# Allegro board BeagleBoard-xM.brd (continued)
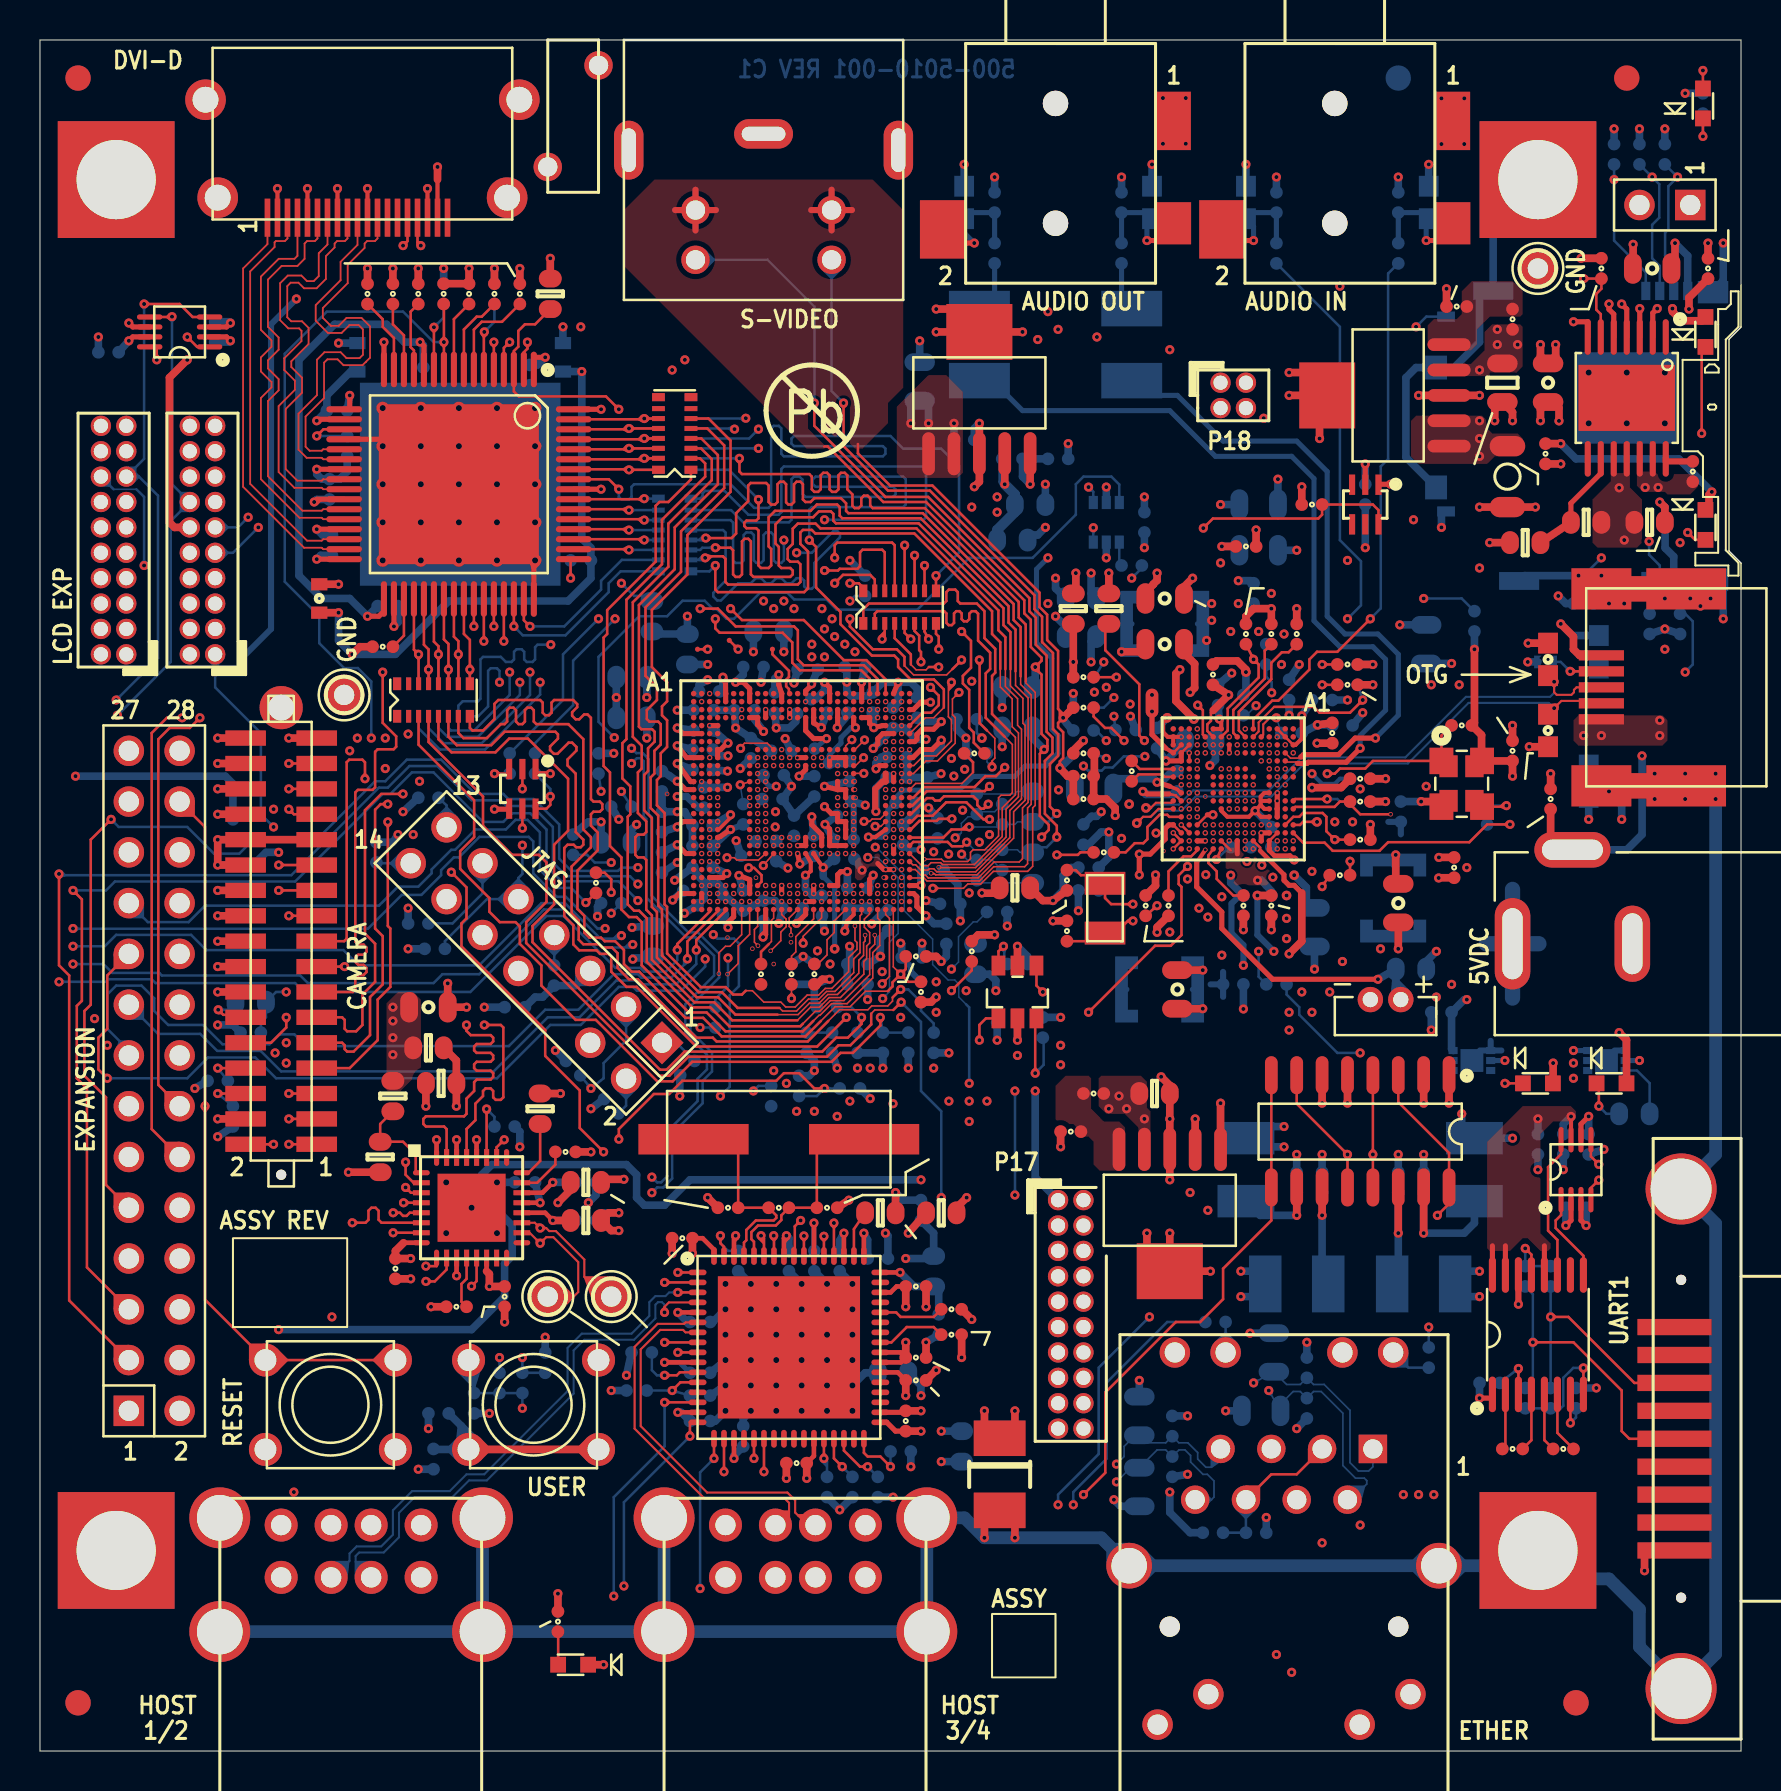
[diagram p0: board, top side]
## Routing (per net, layer and track width the routed paths; a pad name or vN(x,y) marks a point on that pad's centre or on a via; arc(x,y) is an arc through that point) (continued)
N27087084: length 7
  LYR3-SIG w0.076: 54.86,51.16 55.19,51.16 55.58,50.77 56.69,50.77 57.4,50.06 57.4,48.82 v2(57.89,48.33)
  LYR3-SIG w0.127: v1(53.72,51.77) 54.33,51.16 54.86,51.16
  BOTTOM w0.127: C199.1 v1(53.72,51.77)
N27930577: length 1.2
  BOTTOM w0.127: R156.1 53.99,59.42 U18.4
N27967047: length 6.2
  TOP w0.127: 27.81,43.94 28.24,43.94 28.57,43.61 v1(28.57,42.95)
  LYR3-SIG w0.076: v2(33.1,43.3) 32.48,43.3 32.12,42.94 29.73,42.94
  LYR3-SIG w0.127: 29.73,42.94 28.66,42.94 v1(28.57,42.95)
N27971192: length 1.5
  TOP w0.305: U2.14 81.33,64.52 R158.1
N28217649: length 2.1
  TOP w0.254: Q2.2 v1(66.29,64.39)
  BOTTOM w0.381: R144.2 v1(66.29,64.39)
N28306649: length 3
  BOTTOM w0.127: U31.3 79.88,34.04 80.52,33.41 R121.1

## Copper pours and planes (outline as drawn; the poured copper is in the pictures)
GND on TOP (solid shape): 81.79,66.04 76.96,66.04 76.96,69.34 81.79,69.34
GND on BOTTOM (solid shape): 26.04,58.29 16,58.29 16,68.45 26.04,68.45
GND on BOTTOM (solid shape): 81.92,65.41 76.84,65.41 76.84,69.98 81.92,69.98
GND on TOP: 38.35,65.15 41.15,65.15 42.42,66.42 42.42,67.44 43.18,68.2 43.18,77.09 41.66,78.61 30.73,78.61 29.21,77.09 29.21,74.3
GND on TOP: 41.94,44.25 41.5,44.25 41.3,44.04 41.3,43.79 41.07,43.56 40.89,43.56 40.77,43.69 40.77,44.53 41.02,44.78 41.02,45.67 41.17,45.82 42.34,45.82 42.39,45.77 42.39,45.21 42.37,45.19 42.19,45.19 42.01,45.01 42.01,44.32
GND on BOTTOM: 61.72,45.47 60.45,45.47 60.33,45.34 60.33,44.58 60.83,44.07 61.34,44.07 61.85,44.58 61.85,45.34
GND on BOTTOM: 37.72,66.17 37.08,66.8 36.7,66.8 29.21,74.3 29.21,77.09 30.73,78.61 41.66,78.61 43.18,77.09 43.18,70.61 42.42,69.85 42.42,66.42 42.16,66.17
GND on LYR2-GND: 7.39,0.64 7.39,13.31 20.38,13.31 21.02,13.94 21.65,13.94 23.77,16.07 23.77,23.94 24.66,24.83 24.66,27.62 25.08,28.04 28.77,28.04 30.04,26.77 31.43,26.77 32.7,28.04 38.93,28.04 39.18,27.79 41.21,27.79 42.23,26.77 43.75,26.77 46.2,24.32 46.2,22.42 46.96,21.65 46.96,20.13 49.76,17.34 49.76,15.68 50.36,15.09 52.9,15.09 55.02,17.21 55.02,32.19 55.82,32.99 70.29,32.99 71.48,31.81 71.48,5.91 71.56,5.82 71.69,5.82 71.78,5.91 71.78,31.94 70.42,33.3 55.69,33.3 54.71,32.32 54.71,17.34 52.77,15.39 50.48,15.39 50.06,15.81 50.06,17.46 47.27,20.26 47.27,21.78 46.51,22.54 46.51,24.45 43.88,27.08 42.35,27.08 41.34,28.09 39.31,28.09 39.05,28.35 32.58,28.35 31.31,27.08 30.16,27.08 28.89,28.35 24.96,28.35 24.36,27.75 24.36,24.96 23.47,24.07 23.47,16.19 21.53,14.25 20.89,14.25 20.26,13.61 7.39,13.61 7.39,14.16 10.31,17.08 10.31,28.89 8.53,30.67 8.53,32.01 8.63,32.26 8.53,32.5 8.53,47.05 7.81,47.78 5.27,47.78 3.2,49.85 3.2,65.34 2.31,66.23 2.31,73.09 3.75,74.52 8.32,74.52 11.07,77.28 11.07,78.68 11.62,79.22 20.26,79.22 20.93,78.55 20.93,76.9 22.03,75.79 28,75.79 30.16,77.95 43.62,77.95 45.53,79.86 52.9,79.86 56.07,83.03 60.13,83.03 63.31,79.86 65.85,79.86 69.15,83.16 71.31,83.16 71.6,82.87 71.6,77.15 73.47,75.29 76.14,75.29 76.64,75.79 79.82,75.79 80.24,75.37 80.24,71.06 81.89,69.41 81.89,62.17 79.57,59.84 77.15,59.84 76.43,59.12 76.43,53.78 76.77,53.44 79.22,53.44 79.22,52.1 76.77,52.1 76.43,51.75 76.43,47.31 76.77,46.96 84.45,46.96 84.45,0.64 ; 2 cut-outs
GND on LYR3-SIG: 32.32,44.64 29.78,44.64 29.65,44.51 29.65,44.13 29.78,44.01 30.23,44.01 30.86,43.37 31.88,43.37 32.13,43.62 32.83,43.62 33.02,43.81 33.02,44.13 32.89,44.26 32.7,44.26
GND on LYR3-SIG: 56.64,52.1 56.64,50.93 57.28,50.29 57.28,48.9 56.9,48.51 56.9,48.26 57.02,48.13 57.66,48.13 57.79,48.26 59.56,48.26 59.69,48.13 59.69,47.62 59.44,47.37 57.02,47.37 56.52,46.86 55.5,46.86 54.74,47.62 54.1,47.62 52.71,49.02 52.71,50.93 54.61,52.83 55.91,52.83
GND on LYR3-SIG: 60.2,42.16 61.02,41.34 61.02,40.89 61.28,40.64 61.98,40.64 62.23,40.89 62.23,43.43 61.66,44.01 61.66,44.89 60.83,45.72 60.83,46.04 60.77,46.1 60.33,46.1 60.2,45.97
GND on LYR3-SIG: 43.37,46.48 43.75,46.1 44.77,46.1 45.85,45.02 45.85,44.32 46.86,43.31 48.01,43.31 48.26,43.56 48.26,47.37 48.01,47.62 46.79,47.62 46.53,47.37 45.02,47.37 44.96,47.43 44.13,47.43 43.62,46.93 43.43,46.93 43.37,46.86
GND on LYR4-SIG: 32.13,44.7 32.64,45.21 33.02,45.21 33.97,44.26 35.69,44.26 36.13,43.81 36.45,43.81 36.7,44.07 36.7,44.58 35.94,45.34 34.04,45.34 33.4,45.97 31.11,45.97 30.35,45.21 26.92,45.21 26.54,45.59 26.54,46.99 28.07,48.51 33.27,48.51 33.91,49.15 34.67,49.15 35.05,49.53 35.31,49.53 35.81,50.04 36.58,50.04 36.83,49.78 37.85,49.78 38.8,48.83 40.07,48.83 40.89,48.01 40.89,47.75 41.02,47.62 41.4,47.62 41.53,47.5 41.53,47.24 40.89,46.61 40.89,46.36 41.4,45.85 42.16,45.85 42.8,46.48 42.8,46.99 43.24,47.43 45.09,47.43 45.21,47.31 45.21,45.4 44.96,45.15 44.64,45.15 44.32,44.83 44.32,44.01 44.2,43.88 43.62,43.88 42.42,42.67 33.27,42.67 32.77,43.18 31.5,43.18 31.14,42.82 31.14,41.76 32.51,40.39 32.51,39.56 32.26,39.31 29.08,39.31 26.48,41.91 25.15,41.91 24.64,41.4 24.64,40.13 25.15,39.62 25.15,38.23 23.88,36.96 21.21,36.96 19.24,38.93 19.24,42.74 19.81,43.31 21.84,43.31 22.73,44.2 27.43,44.2 27.94,43.69 29.21,43.69 29.91,44.39 30.67,44.39 30.99,44.7
GND_EARTH on BOTTOM (solid shape): 54.54,9.21 53.34,9.27 53.34,10.1 53.43,10.32 53.66,10.41 54.48,10.41
GND_EARTH on BOTTOM (solid shape): 55.87,9.5 55.97,9.27 55.87,9.05 55.29,8.46 54.4,9.27 55.29,10.08
GND_EARTH on BOTTOM (solid shape): 70.06,9.27 69.17,8.46 68.59,9.05 68.49,9.27 68.59,9.5 69.17,10.08
GND_EARTH on BOTTOM (solid shape): 71.37,9.5 71.46,9.27 71.37,9.05 70.78,8.46 69.9,9.27 70.78,10.08
GND_EARTH on BOTTOM: 10.29,12.45 10.29,5.21 9.65,4.57 7.24,4.57 4.7,7.11 0.89,7.11 0.89,13.97 1.91,14.99 7.75,14.99
GND_EARTH on LYR2-GND: 0.64,0.64 0.64,84.96 84.45,84.96 84.45,71.53 83.87,70.94 83.87,59.77 84.45,59.18 84.45,47.27 76.9,47.27 76.73,47.43 76.73,51.63 76.9,51.79 79.53,51.79 79.53,53.75 76.9,53.75 76.73,53.91 76.73,58.99 77.28,59.54 79.69,59.54 82.19,62.04 82.19,69.53 80.54,71.18 80.54,75.5 79.95,76.1 76.52,76.1 76.01,75.59 73.6,75.59 71.91,77.28 71.91,82.99 71.44,83.46 69.02,83.46 65.72,80.16 63.44,80.16 60.26,83.34 55.94,83.34 52.77,80.16 45.4,80.16 43.5,78.26 30.04,78.26 27.88,76.1 22.16,76.1 21.23,77.03 21.23,78.68 20.38,79.53 11.49,79.53 10.77,78.8 10.77,77.41 8.19,74.83 3.62,74.83 2.01,73.22 2.01,66.1 2.9,65.21 2.9,49.72 5.14,47.47 7.68,47.47 8.23,46.93 8.23,30.54 10.01,28.77 10.01,17.21 7.09,14.29 7.09,0.64
GND_EARTH on LYR5-PWR: 76.71,47.5 76.96,47.24 84.45,47.24 84.45,59.18 84.07,59.56 77.22,59.56 76.71,59.05
VBAT on TOP: 59.31,43.81 59.31,44.96 59.44,45.21 59.94,45.21 60.42,44.74 60.86,44.74 61.79,43.81 61.79,43.43 61.66,43.31 59.82,43.31
VBAT on TOP: 46.16,63.94 46.16,68.01 45.34,68.83 44.45,68.83 42.86,67.25 42.86,63.94 43.12,63.69 45.91,63.69
VBAT on LYR5-PWR: 55.63,45.72 56.13,45.72 56.26,45.85 59.31,45.85 59.88,45.28 59.88,44.26 60.83,43.31 62.61,43.31 63.18,43.88 63.18,47.82 63.12,47.88 63.12,48.64 63.37,48.9 65.53,48.9 67.18,47.24 69.85,47.24 71.12,48.51 71.12,51.69 71.5,52.07 74.8,52.07 75.18,51.69 76.45,51.69 76.45,56.64 76.2,56.9 75.44,56.9 75.06,57.28 75.06,59.82 77.22,61.98 80.9,61.98 81.28,62.36 81.28,65.91 81.92,66.55 81.92,72.64 80.64,73.91 80.64,76.2 81.15,76.71 81.15,77.98 80.64,78.49 70.48,78.49 62.74,70.74 58.42,70.74 56.52,68.83 43.56,68.83 43.18,68.45 43.18,66.17 43.56,65.79 62.36,65.79 63.75,64.39 63.75,62.48 63.12,61.85 63.12,56.2 58.74,51.82 58.74,50.74 57.85,49.85 56.2,49.85 55.25,48.9 54.23,48.9 52.83,47.5 52.83,46.86 52.96,46.74 54.61,46.74
VBAT_FB on TOP: 69.67,70.05 71.58,70.05 71.88,70.36 71.88,71.12 72.52,71.75 74.04,71.75 74.17,71.88 74.17,73.02 73.66,73.53 71.63,73.53 71.12,73.02 71.12,71.88 70.87,71.63 69.72,71.63 69.42,71.32 69.42,70.31
VBAT_MAIN on TOP: 71.58,69.39 69.62,69.39 69.42,69.09 69.62,68.78 73.69,68.78 74.17,69.27 74.17,71.25 74.04,71.37 72.64,71.37 72.26,70.99 72.26,70.08
VBAT_MAIN on LYR4-SIG: 74.04,71.37 72.64,71.37 71.75,70.48 71.75,68.96 72.01,68.71 73.66,68.71 74.17,69.22 74.17,71.25
VBUS_5V0 on TOP: 76.96,51.82 76.71,51.56 76.71,50.55 76.96,50.29 81.15,50.29 81.41,50.55 81.41,51.56 81.15,51.82
VBUS_5V0 on BOTTOM: 79.25,51.18 76.96,51.18 76.71,50.93 76.71,49.66 76.33,49.28 75.31,49.28 75.06,49.02 75.06,48.51 75.31,48.26 79.38,48.26 79.5,48.39 79.5,50.93
VDD1 on BOTTOM: 69.34,43.18 68.71,43.18 68.71,43.69 66.67,43.69 66.67,43.18 66.04,43.18 66.04,43.94 65.41,44.58 64.52,45.47 64.52,46.48 64.77,46.74 68.2,46.74 69.34,45.59
VDD1 on BOTTOM: 35.75,45.15 36.96,45.15 37.27,45.47 37.72,45.47 37.91,45.66 37.91,45.91 37.78,46.04 37.34,46.04 36.96,46.42 36.96,47.05 36.83,47.18 36.51,47.18 36.39,47.31 36.39,47.75 36.26,47.88 36,47.88 35.88,47.75 35.88,46.04 35.5,45.66 35.5,45.4
VDD1 on LYR3-SIG: 36,45.21 35.84,45.21 35.69,45.36 35.69,45.59 35.69,45.6 35.72,45.7 35.69,45.8 35.69,45.81 35.69,46.61 34.9,47.4 33.88,47.4 33.34,47.94 33.34,48.96 31.88,50.42 30.23,50.42 29.97,50.67 29.97,52.7 30.23,52.96 31.65,52.96 33.3,51.31 36.83,51.31 37.47,50.67 37.47,50.22 38.01,49.67 38.01,48.81 37.77,48.57 37.77,46.35 38.35,45.76 38.35,44.58 38.61,44.32 38.61,43.88 38.35,43.62 37.47,43.62 37.34,43.75 37.34,44.39 37.72,44.77 37.72,45.09 37.59,45.21 37.02,45.21 36.7,44.89 36.32,44.89
VDD2 on BOTTOM: 56.77,35.81 56.52,36.07 56.52,37.08 57.02,37.08 57.02,39.12 56.52,39.12 56.52,40.01 56.77,40.26 56.77,45.59 58.42,47.24 58.8,47.24 59.06,46.99 59.06,45.85 59.05,45.59 58.42,44.96 58.42,44.45 58.93,43.94 58.93,43.18 59.18,42.8 59.18,40.77 59.44,40.51 59.44,36.07 59.18,35.81
VDD2 on LYR5-PWR: 41.15,49.28 41.15,50.29 42.04,51.18 42.04,52.9 37.15,52.9 36.45,53.59 36.45,54.74 35.88,55.31 35.5,55.31 35.31,55.12 35.31,52.7 34.8,52.2 33.59,52.2 33.08,51.69 33.08,47.94 33.66,47.37 34.92,47.37 35.18,47.12 35.18,44.2 35.43,43.94 35.94,43.94 37.21,45.21 38.99,45.21 39.75,44.45 39.75,43.75 40.7,43.75 41.78,44.83 41.78,46.61 42.04,46.86 42.04,47.24 41.78,47.5 41.78,48.64
VDD_MMC1 on LYR5-PWR: 81.53,65.79 82.17,66.42 82.17,72.77 80.9,74.04 80.9,76.07 81.41,76.58 81.41,78.11 80.77,78.74 78.36,78.74 78.11,78.99 78.11,84.96 84.45,84.96 84.45,71.53 83.87,70.94 83.87,59.82 77.09,59.82 76.45,59.18 76.45,57.4 76.2,57.15 75.56,57.15 75.31,57.4 75.31,59.69 77.34,61.72 81.03,61.72 81.53,62.23
AUX_3V3 on TOP: 77.66,62.61 77.66,60.45 77.91,60.2 79.88,60.2 80.14,60.45 80.14,62.61 79.53,63.22 79.53,65.48 79.22,65.48 79.22,63.93 78.88,63.93 78.88,65.48 78.57,65.48 78.57,63.53
AUX_3V3 on TOP: 76.58,32.26 74.17,32.26 72.39,30.48 72.39,25.15 72.52,25.02 73.53,25.02 74.17,25.65 74.42,25.65 75.06,25.02 75.44,25.02 75.56,25.15 75.56,25.4 75.06,25.91 75.06,30.86 75.69,31.5 76.71,31.5 76.84,31.62 76.84,32
AUX_3V3 on LYR3-SIG: 24.38,74.55 16.26,74.55 14.61,72.9 14.61,70.36 14.86,70.1 18.8,70.1 19.81,71.12 24.51,71.12 26.92,68.71 27.43,68.71 27.81,69.09 27.81,71.12
DC_5V on TOP: 80.18,65.53 79.88,65.53 79.88,63.25 80.14,62.99 81.28,62.99 81.41,62.87 82.55,62.87 82.93,63.25 82.93,63.63 82.68,63.88 80.9,63.88 80.82,63.96 80.82,65.53 80.53,65.53 80.53,64.01 80.18,64.01
DC_5V on TOP: 72.14,66.8 68.83,66.8 68.58,66.55 68.58,64.77 68.96,64.39 72.39,64.39 72.77,64.77 73.91,64.77 74.17,65.02 74.17,65.66 73.91,65.91 72.64,65.91 72.39,66.17 72.39,66.55
DC_5V on BOTTOM: 77.6,34.67 76.58,34.67 76.45,34.54 76.45,33.53 76.71,33.27 77.34,33.27 77.6,33.53
DC_5V on LYR3-SIG: 71.31,64.64 71.31,69.98 68.33,72.96 68.33,78.99 66.8,80.52 49.66,80.52 49.15,81.03 16.64,81.03 2.29,66.67 2.29,56.26 2.67,55.88 4.83,55.88 5.84,54.86 5.84,53.85 5.33,53.34 2.29,53.34 0.76,54.86 0.76,72.39 13.08,84.71 69.98,84.71 72.9,81.79 72.9,75.5 79.69,68.71 79.69,65.98 81.15,64.52 81.15,62.87 80.77,62.48 80.26,62.48 78.61,60.83 78.61,49.02 79.63,48.01 79.63,47.12 80.39,46.36 80.39,39.12 79.38,38.1 79.38,36.2 78.61,35.43 78.61,34.54 77.34,33.27 76.71,33.27 76.45,33.53 76.45,34.16 75.95,34.67 75.95,37.72 76.71,38.48 76.71,46.61 75.56,47.75 75.56,60.39
DC_5V_USB on BOTTOM: 70.87,34.67 69.6,34.67 68.83,33.91 68.83,32.26 69.09,32 69.6,32 69.85,32.26 69.85,33.15 70.23,33.53 70.74,33.53 70.87,33.66
DC_IN on BOTTOM: 72.14,34.92 75.44,34.92 76.33,35.81 77.6,35.81 77.85,35.56 77.85,34.04 78.87,34.04 78.87,34.92 79.5,34.92 79.5,37.08 78.11,38.48 78.11,41.66 76.07,43.69 72.64,43.69 72.01,43.05 72.01,37.08 71.12,36.2 71.12,34.04 72.14,34.04
DC_IN on LYR3-SIG: 76.33,46.48 76.33,38.61 75.18,37.46 72.52,37.46 72.01,37.97 72.01,43.05 72.52,43.56 72.52,46.74 73.41,47.62 73.41,56.77 71.63,58.55 71.63,59.31 71.88,59.56 72.9,59.56 75.18,57.28 75.18,47.62
HUB_3V3 on TOP: 54.94,31.19 54.94,29.24 55.25,29.03 55.55,29.24 55.55,32 55.37,32.18 55.37,33.48 55.07,33.78 53.09,33.78 52.96,33.66 52.96,32.26 53.34,31.88 54.25,31.88
HUB_3V3 on LYR5-PWR: 8.23,13.31 7.39,12.47 7.39,0.63 71.48,0.63 71.48,31.83 70.31,32.99 53.64,32.99 48.65,28 46.15,28 46.08,27.93 44.92,26.77 42.23,26.77 41.21,27.79 39.18,27.79 38.93,28.04 32.7,28.04 31.43,26.77 30.04,26.77 28.77,28.04 25.07,28.04 24.66,27.64 24.66,24.82 23.77,23.93 23.77,16.08 22.81,15.11 21.67,13.94 21.01,13.94 20.37,13.31
HUB_3V3A on LYR4-SIG: 30.99,19.3 33.08,17.21 41.47,17.21 42.67,18.41 44.45,18.41 44.89,17.97 44.89,15.68 49.4,11.18 51.94,11.18 53.09,12.32 57.4,12.32 61.09,16 61.09,20.83 60.58,21.34 56.39,21.34 53.09,18.03 53.09,15.75 52.71,15.37 50.67,15.37 50.04,16 50.04,21.08 44.83,26.29 40.13,26.29 39.75,26.67 34.16,26.67 32.64,25.15 32,25.15 30.99,24.13
MEM_1V8 on LYR4-SIG: 44.2,43.56 43.69,43.56 42.55,42.42 33.15,42.42 32.64,42.93 31.62,42.93 31.37,42.67 31.37,41.91 32.83,40.45 36.26,40.45 36.83,41.02 38.86,41.02 39.24,40.64 39.88,40.64 40.26,40.26 40.64,40.26 41.15,40.77 41.15,41.4 41.66,41.91 43.31,41.91 44.32,42.93 44.32,43.43
MEM_1V8 on LYR5-PWR: 34.29,58.8 41.02,58.8 42.29,57.53 45.21,57.53 48.51,60.83 48.51,62.23 50.04,63.75 58.29,63.75 59.44,62.61 59.44,59.94 59.18,59.69 58.67,59.69 57.53,60.83 52.07,60.83 51.18,59.94 51.18,56.77 50.93,56.52 49.02,56.52 48.77,56.26 48.77,52.45 48.26,51.94 47.12,51.94 45.47,50.29 44.96,50.29 44.83,50.42 44.83,51.82 43.43,53.21 35.43,53.21 34.67,52.45 33.4,52.45 32.77,51.82 32.77,42.8 34.04,41.53 34.42,41.53 34.67,41.27 34.67,40.64 34.42,40.39 33.4,40.39 33.02,40.77 29.08,40.77 28.83,41.02 28.83,48.64 29.21,49.02 29.72,49.02 29.97,49.28 29.97,50.29 29.59,50.67 29.59,54.1
T2_VDD1.L on BOTTOM: 69.34,42.16 68.71,42.16 68.71,41.66 66.67,41.66 66.67,42.16 66.55,42.16 65.53,43.18 65.53,43.81 63.88,45.47 62.87,45.47 62.23,44.83 62.23,44.45 63.37,43.31 64.14,43.31 64.64,42.8 64.64,41.27 65.41,40.51 69.09,40.51 69.34,40.77
T2_VDD2.L on BOTTOM: 55.5,45.21 56.26,44.45 56.26,43.43 56.26,40.51 55.5,39.75 55.5,39.12 54.99,39.12 54.99,37.08 55.5,37.08 55.5,36.07 55.25,35.81 53.21,35.81 52.96,36.07 52.96,42.04 53.59,42.67 53.59,44.07 54.74,45.21
T2_VIO.L on BOTTOM: 56.01,54.48 56.01,51.94 55.75,51.69 54.61,51.69 54.23,52.07 54.23,53.21 53.72,53.72 53.72,57.91 53.98,58.17 55.63,58.17 55.75,58.04 55.75,57.4 55.25,57.4 55.25,55.37 55.75,55.37 55.75,54.74
U16_FB on TOP: 54.28,29.29 54.28,31.19 53.98,31.5 53.21,31.5 52.58,32.13 52.58,33.66 52.45,33.78 51.31,33.78 50.8,33.27 50.8,31.37 51.69,31.37 51.82,31.24 51.82,30.86 51.94,30.73 52.45,30.73 52.71,30.48 52.71,29.34 53.01,29.03 54.03,29.03
USB_1V8 on TOP: 17.4,33.02 18.03,33.02 19.05,34.04 19.05,37.59 18.67,37.97 17.91,37.97 17.34,37.4 17.34,33.85 17.14,33.66 17.14,33.27
USB_1V8F on BOTTOM: 22.73,23.24 22.73,23.75 20.83,25.65 20.83,29.21 22.1,30.48 22.1,31.62 20.95,32.77 20.32,32.77 18.16,30.61 18.16,24.38 18.41,24.13 19.68,24.13 20.95,22.86 22.35,22.86
USBDM0 on TOP (solid shape): 28.59,22.73 27.56,22.71 27.21,23.68 27.21,23.73 27.26,23.75 28.57,23.75
VIO_1V8 on BOTTOM: 56.77,55.37 57.28,55.37 57.28,57.4 56.77,57.4 56.77,58.04 56.9,58.17 59.44,58.17 59.82,57.79 61.34,57.79 61.59,57.53 61.6,56.13 61.59,56.13 61.59,55.25 61.47,55.12 60.58,55.12 60.07,54.61 59.18,54.61 58.04,53.47 56.9,53.47 56.77,53.59
VIO_1V8 on LYR5-PWR: 0.64,0.63 84.45,0.63 84.45,59.18 83.87,59.77 83.87,70.94 84.45,71.53 84.45,84.96 0.64,84.96
BKBAT on BOTTOM (solid shape): 67.63,38.49 67.75,38.65 67.95,38.61 68.52,38.04 68.09,37.55 67.57,37.93
I2C2_SDA on LYR3-SIG (solid shape): 4.98,44.42 4.49,43.93 4.45,43.91 4.4,43.93 3.91,44.42 4.45,44.97
JTAG_EMU0 on BOTTOM (solid shape): 20.29,47.24 20.34,47.26 20.38,47.24 20.88,46.75 20.34,46.19 19.8,46.75
JTAG_EMU1 on BOTTOM (solid shape): 18.56,44.41 18,43.87 17.51,44.37 17.49,44.41 17.51,44.46 18,44.95
JTAG_NTRST on BOTTOM (solid shape): 29.86,33.1 29.36,32.6 29.32,32.59 29.27,32.6 28.78,33.1 29.32,33.65
JTAG_NTRST on LYR4-SIG (solid shape): 30.35,33.68 30.37,33.64 30.35,33.59 29.86,33.1 29.3,33.64 29.86,34.18
JTAG_RTCK on BOTTOM (solid shape): 23.89,43.65 23.93,43.67 23.98,43.65 24.47,43.16 23.93,42.6 23.39,43.16
JTAG_RTCK on BOTTOM (solid shape): 23.95,42.62 23.39,42.08 22.9,42.57 22.88,42.62 22.9,42.66 23.39,43.16
JTAG_TCK on BOTTOM (solid shape): 22.67,43.87 22.18,43.38 22.13,43.36 22.09,43.38 21.6,43.87 22.13,44.43
JTAG_TDI on BOTTOM (solid shape): 29.86,36.69 29.36,36.2 29.32,36.18 29.27,36.2 28.78,36.69 29.32,37.25
JTAG_TDO on BOTTOM (solid shape): 26.27,40.28 25.77,39.79 25.73,39.77 25.68,39.79 25.19,40.28 25.73,40.84
JTAG_TDO on LYR4-SIG (solid shape): 26.76,40.87 26.78,40.82 26.76,40.78 26.27,40.28 25.71,40.82 26.27,41.36
JTAG_TMS on LYR4-SIG (solid shape): 32.11,35.48 32.13,35.43 32.11,35.39 31.65,34.93 31.1,35.43 31.65,35.94
MCBSP1_CLKR on LYR3-SIG (solid shape): 6.94,40.91 6.98,40.93 7.03,40.91 7.52,40.42 6.98,39.86 6.45,40.42
MCBSP1_FSR on LYR3-SIG (solid shape): 6.94,43.45 6.98,43.47 7.03,43.45 7.52,42.96 6.98,42.4 6.45,42.96
MCBSP3_CLKX on LYR4-SIG (solid shape): 8.02,22.14 8.04,22.1 8.02,22.05 7.52,21.56 6.97,22.1 7.52,22.64
MMC2_DAT2 on LYR3-SIG (solid shape): 4.46,32.26 3.91,31.72 3.41,32.21 3.39,32.26 3.41,32.3 3.91,32.8
NLNKAR on LYR3-SIG (solid shape): 68.23,19.4 67.74,18.91 67.69,18.89 67.65,18.91 67.15,19.4 67.69,19.95
NRESET on TOP (solid shape): 12.4,19.6 12.42,19.56 12.4,19.51 11.86,18.97 11.26,19.56 11.86,20.14
NRESET on TOP (solid shape): 17.8,19.56 17.2,18.97 16.66,19.51 16.64,19.56 16.66,19.6 17.2,20.14
NSPDR on BOTTOM (solid shape): 59.26,20.97 59.31,20.99 59.35,20.97 59.85,20.48 59.31,19.92 58.77,20.48
NSPDR on LYR3-SIG (solid shape): 60.34,19.98 60.36,19.94 60.34,19.89 59.85,19.4 59.29,19.94 59.85,20.48
REGEN on LYR3-SIG (solid shape): 4.4,48.53 4.45,48.55 4.49,48.53 4.98,48.04 4.45,47.48 3.91,48.04
TCT_RCT on BOTTOM (solid shape): 60.83,12.07 60.37,11.61 60.33,11.59 60.28,11.61 59.82,12.07 60.33,12.59
TV_OUT1 on BOTTOM (solid shape): 33.75,74.64 33.77,74.6 33.75,74.55 33.29,74.1 32.78,74.6 33.29,75.1
TV_OUT2 on BOTTOM (solid shape): 40.1,74.1 39.64,73.64 39.6,73.62 39.55,73.64 39.1,74.1 39.6,74.62
USBDP0 on TOP (solid shape): 26.73,22.77 26.75,22.73 26.73,22.7 26.12,22.08 25.39,22.73 26.12,23.38
USER_SW on BOTTOM (solid shape): 22.04,19 21.78,18.18 21.73,18.14 21.67,18.16 20.85,18.97 21.43,19.57
USER_SW on LYR4-SIG (solid shape): 27.96,19.56 27.36,18.97 26.82,19.51 26.8,19.56 26.82,19.6 27.36,20.14
N18763702 on TOP (solid shape): 22.47,15.22 22.53,15.09 22.47,14.95 22.02,14.5 21.39,15.09 22.02,15.67
N18763702 on TOP (solid shape): 27.99,15.09 27.36,14.5 26.91,14.95 26.85,15.09 26.91,15.22 27.36,15.67
N18763702 on BOTTOM (solid shape): 21.49,15.09 20.85,14.5 20.4,14.95 20.35,15.09 20.4,15.22 20.85,15.67
N18763702 on BOTTOM (solid shape): 20.89,16.28 21.02,16.44 21.22,16.39 21.94,15.67 21.45,15.04 20.81,15.56

Small or netless copper shapes (teardrops, artwork), in the pictures only: 546 on TOP, 539 on BOTTOM, 61 on LYR2-GND, 366 on LYR3-SIG, 331 on LYR4-SIG, 1 on LYR5-PWR

## Text on the board
BOTTOM: 500-5010-001 REV C1 | LAYER 6 | SOLDER
Board Geometry/Soldermask Bottom: SMS
Ref Des/Silkscreen Bottom: STANDOFF | SERIAL# | REACH Compliant | microSD | BSLK
User.Comments: REV. C1
TOP: COMPONENT | LAYER 1
Ref Des/Assembly Top: 1 | A1 | +
Board Geometry/Soldermask Top: SMC
Ref Des/Silkscreen Top: 27 | DVI-D | 1 | HOST | 1/2 | 28 | 2 | ASSY REV | 14 | 13 | USER | A1 | S-VIDEO | 3/4 | ASSY | P17 | AUDIO OUT | P18 | AUDIO IN | OTG | ETHER | LCD EXP | EXPANSION | RESET | GND | CAMERA | 5VDC | UART1 | JTAG | TSLK
LYR2-GND: LAYER 2 | GND
LYR3-SIG: LAYER 3 | SIGNAL
LYR4-SIG: LAYER 4 | SIGNAL
LYR5-PWR: LAYER 5 | POWER
DIMENSION: DRILL | SCORE
USER_PART_NUM_TOP: TSLKC | CHECK PLOT ONLY
USER_PART_NUM_BOTTOM: BSLKC
DISPLAY_BOTTOM: SPS
DISPLAY_TOP: SPC
User.9: DATE | DESIGN ENGR | PROJECT ENGR | ENGR MGR | NEXT ASSEMBLY | APPROVED | CHECKED | DRAFTING | ENGR | Pb | NONE | 1 OF 2 | 260 C | 13 | 7 | 12.  IMPEDENCE CONTROLLED, +/- 10%. | 10.  FINISHED BOARD SHALL BE FREE OF BURRS ON EDGES. | 11.  SURFACE FINISH SHALL BE IMMERSION SILVER. | 13  REGISTRATION OF SOLDERMASK SHALL BE +/- .002. | 6.  PLATED THRU HOLE SIZE TOLERANCES SHALL BE +/- .003 INCH. | 2.  THIS DRAWING SPECIFIES THE REQUIREMENT FOR A MULTILAYER PRINTED BOARD IN ACCORDANCE | 1.  TOTAL BOARD THICKNESS SHALL BE .062 +/- .007 INCHES. | 9.  DRC'S MUST BE RUN ON THE GERBERS BEFORE BUILDING BOARDS UNLESS PRIOR | 3.  COPPER PLATED SURFACE CONDUCTORS SHALL BE THE EQUIVALENT OF 1 OZ. COPPER | 4.  MINIMUM TRACE AND SPACE SHALL BE .003 OF AN INCH. | 5.  SOLDERMASK ON BOTH SIDES OF THE BOARD SHALL BE S.M.O.B.C., LDI, COLOR RED. | 7   VIAS SHALL BE FILLED WITH NON-CONDUCTIVE EPOXY, PLATED AND PLANERIZED. | 8.  SILKSCREEN ON BOTH SIDES OF THE BOARD SHALL BE WHITE EPOXY INK. NO SILK ON PADS. | UNPLATED THRU HOLE SIZE TOLERANCES SHALL BE +/- .002 INCH. | APPROVAL IS GIVEN IN WRITING. | AFTER PLATING.  PLANE LAYERS SHALL BE 1 OZ. COPPER.  AVERAGE COPPER ON | THE WALL OF THE PLATED HOLE SHALL BE .001 INCH. | SOLDERMASK SHALL NOT BE MODIFIED. | 100 OHM DIFF. - 3.4 MIL LINE / 10.6 MIL SPACING | ALL MATERIAL SHALL BE 370HR MATERIAL USING A LEAD FREE PROCESS. | PWB LEAD FREE AND RoHS MARKINGS: | WITH SPECIFICATION IPC-6012 CLASS 2. THE FOLLOWING PARAMETERS APPLY: | 90 OHM DIFF. - 4.1 MIL LINE / 7.9 MIL SPACING. | a) MEETS RoHS DIRECTIVE WITH 94V-0 FLAMMABILITY RATING | b) IS LEAD FREE PROCESS COMPATIBLE WITH A MIN. OF 5 CYCLES AT 260degC FOR 10 SECONDS. | c) MIN. Tg AND Td OF 180 degC AND 330 degC, RESPECTAVILY. | a) PWB SHALL BE MARKED LEAD FREE WITH AN INK STAMP | b) PWB SHALL BE MARKED LEAD FREE PROCESS COMPATIBLE WITH AN INK STAMP | c) OTHER MANUFACTURING MARKINGS MAY USE TOP/BOTTOM SIDE ETCH. | LAYER 1 | LAYER 2 | NOTES: UNLESS OTHERWISE SPECIFIED
User.10: U12 | 1 | TP1 | S2 | C164 | R88 | C167 | C209 | C205 | RP7 | U14 | R159 | S1 | C166 | D14 | R100 | TP7 | C178 | A1 | R112 | C185 | C179 | R123 | R63 | RP4 | C180 | L10 | C182 | C186 | U8 | R106 | R118 | C77 | C102 | U5 | R111 | C130 | R113 | R48 | C83 | R52 | C104 | R47 | C177 | C128 | C136 | U16 | C139 | C123 | R138 | R61 | R51 | C127 | U13 | C107 | C112 | C92 | C93 | BT1 | U3 | R59 | R55 | Y1 | R10 | TP2 | U9 | D12 | U10 | R9 | U2 | C144 | C207 | D13 | Q1 | Q2 | P11 | P13 | L8 | R122 | R93 | R98 | R94 | R91 | R90 | R86 | C206 | R97 | R102 | R96 | R136 | C169 | RT1 | R84 | R157 | TP6 | RP1 | C193 | TP5 | TP4 | R45 | TP3 | R44 | C82 | R36 | C181 | R21 | R16 | R119 | C103 | C86 | Y3 | R57 | R54 | C106 | C91 | C118 | C122 | C133 | C97 | C121 | C96 | C213 | R15 | R13 | R14 | C148 | C85 | C5 | D4 | D1 | C150 | C7 | R11 | R8 | D6 | D7 | R158 | D5 | C145 | C6 | DATE | DESIGN ENGR | PROJECT ENGR | ENGR MGR | NEXT ASSEMBLY | APPROVED | CHECKED | DRAFTING | ENGR | 1 OF 2 | P9 | P14 | P12 | U11 | P3 | P4 | Y4 | P16 | P5 | P15 | P6 | P2 | P1 | J2 | P8 | U15 | U4 | U7 | P10 | 1. ADD EPOXY TO USB AND AUDIO CONNECTORS. | +
User.11: NONE | FIGURE | SIZE | 6.0 | ALL UNITS ARE IN MILS | TOLERANCE | +0.0/-6.0 | PLATED | QTY | 174 | 181 | 7 | DRILL CHART: TOP to LYR2-GND | DRILL CHART: TOP to LYR3-SIG
User.12: C199 | C75 | C73 | C52 | C67 | C54 | C68 | C47 | C78 | C72 | C28 | C58 | C24 | C15 | C17 | C36 | C40 | C30 | C62 | C80 | C66 | C51 | C26 | C41 | C60 | C109 | R32 | R33 | C11 | C10 | C50 | R125 | C49 | R34 | C9 | C74 | C61 | C53 | C64 | C46 | C42 | R37 | C63 | C79 | C69 | C71 | C31 | C29 | C19 | C59 | R17 | C65 | C20 | C38 | C27 | C32 | C37 | C33 | C56 | C57 | C210 | C43 | C35 | C14 | R121 | U31 | C147 | R78 | R73 | J1 | C151 | R65 | C162 | U32 | R130 | L4 | C126 | C135 | R1 | C202 | C203 | + | C138 | C95 | C161 | R116 | C140 | C189 | C116 | C134 | C105 | C120 | R50 | C115 | R156 | L6 | L5 | C84 | R49 | C132 | U18 | R53 | R66 | R67 | R71 | R43 | R69 | R18 | C39 | C21 | R68 | C70 | C197 | R70 | C124 | R62 | C131 | C129 | C141 | C190 | R142 | R141 | C44 | C45 | C174 | C194 | C195 | R30 | R101 | C13 | C18 | R105 | C23 | C165 | R99 | R137 | R31 | R89 | R22 | R23 | R29 | C168 | R103 | C8 | R27 | RP5 | R25 | C155 | R26 | R124 | C152 | R151 | R83 | R155 | C158 | R12 | R77 | R76 | R72 | R74 | C3 | R75 | D2 | R81 | D3 | C149 | C143 | R80 | C146 | R82 | C163 | R56 | R79 | R135 | D10 | R104 | C119 | C110 | C170 | C173 | R144 | C100 | C98 | C94 | C113 | C172 | C111 | C171 | C108 | C125 | C101 | R64 | R19 | C99 | C198 | R115 | C137 | C117 | D11 | R117 | C160 | C200 | D8 | C114 | C201 | C204 | R110 | C87 | C90 | R114 | R58 | R42 | L3 | L2 | R60 | C12 | C89 | C184 | C88 | C55 | D9 | C81 | L11 | C196 | C25 | R139 | C142 | R107 | R143 | C76 | R38 | C175 | R108 | C34 | R126 | R128 | R20 | C176 | R127 | R129 | C48 | C191 | R140 | C192 | R46 | C183 | R109 | C187 | R35 | C22 | RP2 | RP3 | C16 | R85 | R28 | L9 | R41 | R39 | R148 | C157 | R149 | R40 | R95 | R145 | C156 | R146 | R92 | R147 | R87 | L7 | R24 | C154 | C153 | R160 | R154 | C159 | P7 | P18 | P17
User.13: 1. All board outlines shall be .020 in width. | 2. All other lines shall be .012 in width. | 3. Note and misc. text shall be text block 10. | 4. View and description text shall be text block 16. | 5. Make sure that there is not any double dimensioning, | 6. Check all notes to make sure that they apply and are correct. | 7. Make sure that layer stack-up is correct. | label (REF) dim when needed.
User.14: FIGURE | SIZE | ALL UNITS ARE IN MILS | TOLERANCE | PLATED | QTY | 8.0 | 12.0 | 28.0 | 30.0 | 38.0 | 40.0 | 43.0 | 51.0 | 70.0 | 90.0 | 120.0 | 156.0 | 35.0 | 60.0 | 63.0 | 128.0 | 86.0x28.0 | 120.0x40.0 | 140.0x40.0 | DRILL CHART: TOP to BOTTOM | +0.0/-8.0 | +0.0/-12.0 | +3.0/-3.0 | NON-PLATED | 1030 | 72 | 64 | 2 | 14 | 71 | 8 | 5 | 4 | 1
User.15: FIGURE | SIZE | 6.0 | ALL UNITS ARE IN MILS | TOLERANCE | +0.0/-6.0 | PLATED | QTY | 174 | DRILL CHART: TOP to LYR2-GND
User.16: FIGURE | SIZE | 6.0 | ALL UNITS ARE IN MILS | TOLERANCE | +0.0/-6.0 | PLATED | QTY | 181 | DRILL CHART: TOP to LYR3-SIG
User.17: 2 PLACES
